# Altium PCB Backend.PcbDoc (part 2 of 3) (continued)
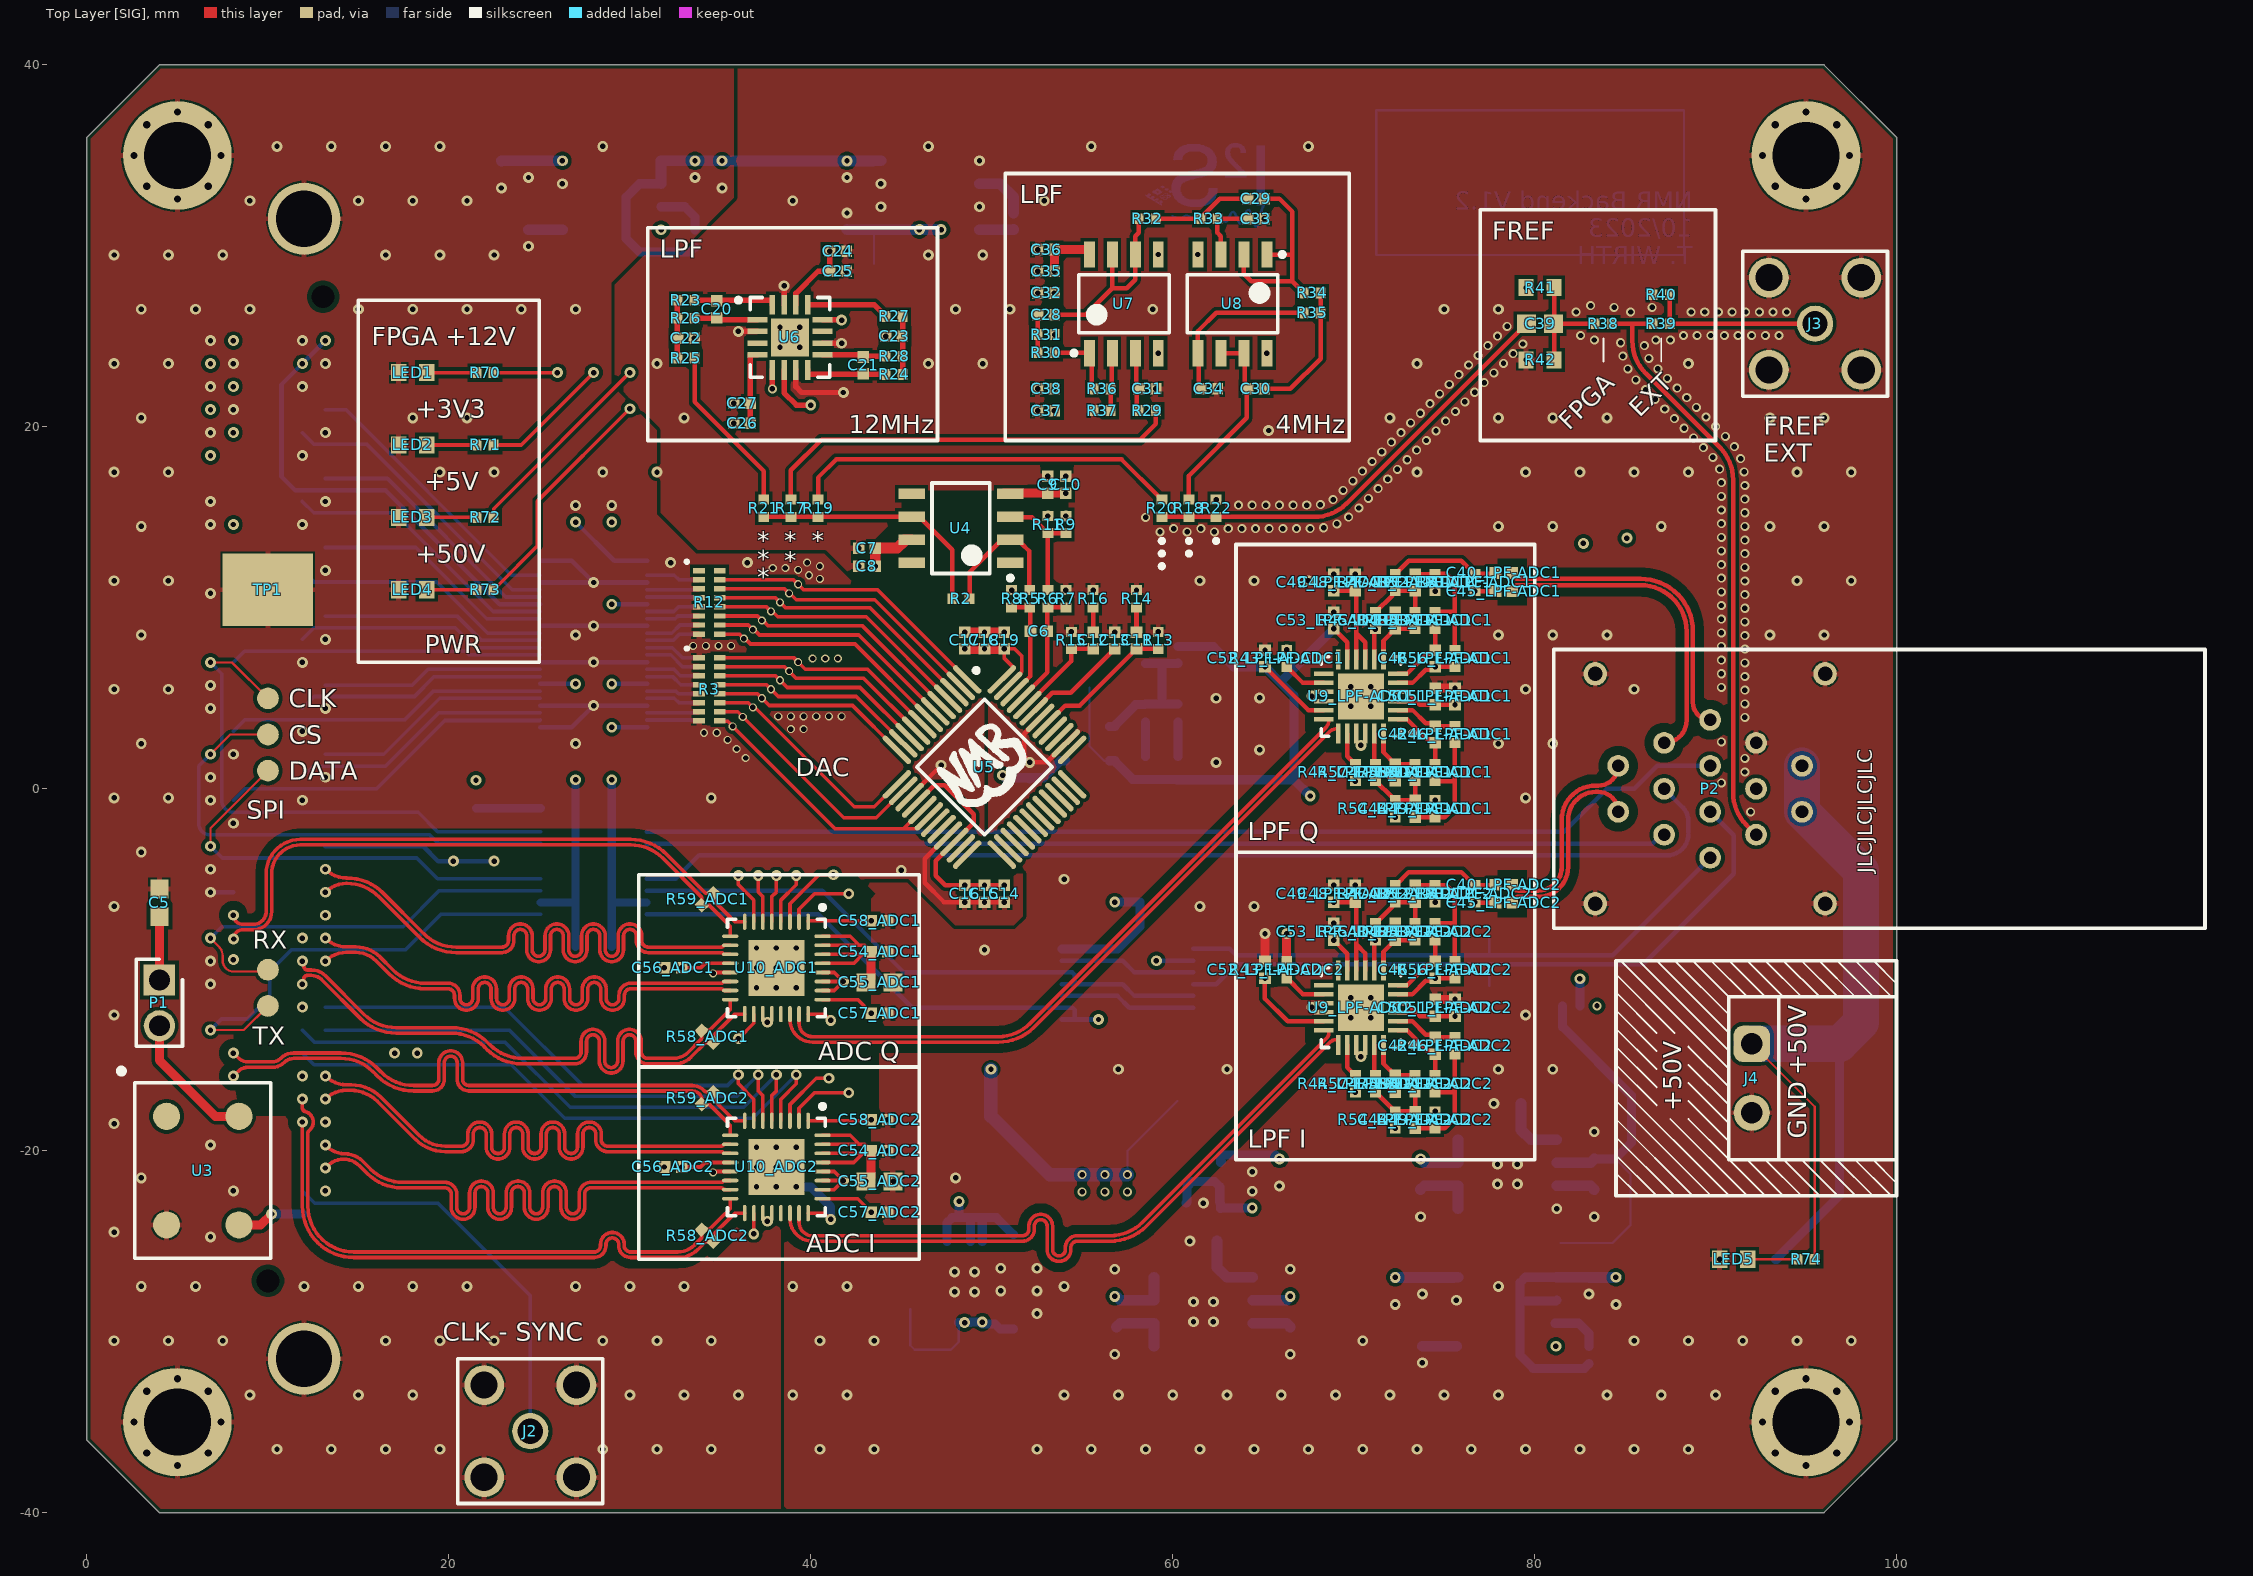
[diagram p0: Top Layer [SIG] view]
## Nets (pads, with @x,y where several pads share a name; then routed paths per layer and width w, separated by ;. In a path a pad name is that pad's centre, name@x,y a point inside that pad or via, vN(x,y) a via of type N, cw(c..) or ccw(c..) an arc to the next point about the centre after c; other vN are vias at no path point) (continued)
  other v2: 91.935,-1.276 90.319,0.326 91.618,0.928 91.618,1.682 90.319,2.588 91.618,3.944 91.618,4.698 91.618,5.452 90.319,5.604 91.618,6.206 90.319,6.358 91.618,6.96 90.319,7.112 91.618,7.714 90.319,7.866 91.618,8.468 90.319,8.62 56.8,8.66 54.4,8.675 59.2,8.675 91.618,9.222 90.319,9.374 91.618,9.976 90.319,10.128 91.618,10.73 90.319,10.882 51.1,10.975 54.1,10.975 55.6,10.975 58,10.975 91.618,11.484 90.319,11.636 91.618,12.238 90.319,12.39 91.618,12.992 90.319,13.144 91.618,13.746 90.319,13.898 59.3,14.2 60.8,14.2 62.3,14.2 60.054,14.376 61.562,14.376 63.07,14.376 63.824,14.376 64.578,14.376 65.332,14.376 66.086,14.376 66.84,14.376 67.594,14.376 68.347,14.424 91.618,14.5 69.069,14.64 90.319,14.652 58.5,15 69.726,15.01 91.618,15.254 90.319,15.406 70.285,15.517 63.638,15.674 64.392,15.674 65.146,15.674 65.9,15.674 66.654,15.674 67.408,15.674 68.162,15.701 68.863,15.979 91.618,16.008 70.818,16.05 90.319,16.16 69.42,16.488 71.351,16.583 91.618,16.762 90.319,16.914 69.953,17.021 71.884,17.116 91.583,17.515 70.486,17.554 72.417,17.649 90.225,17.662 71.019,18.087 72.95,18.182 91.387,18.243 89.854,18.319 71.552,18.62 73.484,18.716 89.326,18.856 91.035,18.91 72.085,19.153 74.017,19.249 88.793,19.389 90.54,19.478 72.618,19.687 74.55,19.782 88.259,19.923 90.007,20.011 73.152,20.22 75.083,20.315 87.726,20.456 89.474,20.545 73.685,20.753 75.616,20.848 87.193,20.989 88.94,21.078 74.218,21.286 76.149,21.381 86.66,21.522 88.407,21.611 74.751,21.819 76.683,21.915 86.127,22.055 87.874,22.144 75.284,22.352 77.216,22.448 85.601,22.596 87.341,22.677 75.817,22.885 77.749,22.981 85.159,23.207 86.808,23.21 76.351,23.419 78.282,23.514 86.317,23.783 84.874,23.905 76.884,23.952 78.815,24.047 77.417,24.485 86.068,24.494 79.348,24.58 84.759,24.65 83.3,24.8 86.7,24.8 87.5,24.8 77.95,25.018 82.54,25.051 88.229,25.051 88.983,25.051 89.737,25.051 90.491,25.051 91.245,25.051 91.999,25.051 92.753,25.051 93.507,25.051 78.483,25.551 82.293,26.349 85.312,26.349 88.649,26.349 89.403,26.349 90.157,26.349 90.911,26.349 91.665,26.349 92.419,26.349 93.173,26.349 93.927,26.349 84.4,26.6 86.5,26.6 83.1,26.7
  other v4: 95,-37.4 93.3,-36.7 96.7,-36.7 92.6,-35 97.4,-35 93.3,-33.3 96.7,-33.3 95,-32.6 95,32.6 93.3,33.3 96.7,33.3 92.6,35 97.4,35 93.3,36.7 96.7,36.7 95,37.4
  other v5: 70.95,-12.65 70.95,-11.55 70.95,4.55 70.95,5.65 38.3,24.4 39.4,24.4 38.3,25.5 39.4,25.5
  other v6: 61.15,-29.45 62.25,-29.45 61.15,-28.35 62.25,-28.35 47.95,-27.8 49.05,-27.8 47.95,-26.7 49.05,-26.7 77.95,-21.85 79.05,-21.85 77.95,-20.75 79.05,-20.75
C\E\2: P2.2 U1.14 | length 56.4
  Bottom Layer [SIG] w0.25: U1.14@30.925,-3.025 86.539,-3.025 86.824,-2.74 P2.2@87.16,-2.74
C\E\2_FMC: J1.C22 pad.3@10,3 U1.7 | length 27.2
  Top Layer [SIG] w0.125: v1(6.825,1.905) 7.92,3 pad.3@10,3
  Bottom Layer [SIG] w0.2: v1(6.825,1.905) 6.175,1.255 6.175,-1.905 ccw(c6.82,-1.905) 6.82,-2.55 18.95,-2.55 19.425,-3.025 U1.7@25.075,-3.025
CLK_ASIC_SPI: P2.14 U1.13 | length 60.3
  Bottom Layer [SIG] w0.25: U1.13@30.925,-2.375 81.625,-2.375 84,0 85.5,0 86.77,1.27 P2.14@89.7,1.27
CLK_ASIC_SPI_FMC: J1.C26 pad.3@10,5 U1.8 | length 30.3
  Top Layer [SIG] w0.125: v1(6.825,6.985) 8.015,6.985 pad.3@10,5
  Bottom Layer [SIG] w0.2: v1(6.825,6.985) 7.45,6.36 7.45,-0.65 ccw(c8.1,-0.65) 8.1,-1.3 18.3,-1.3 19.375,-2.375 U1.8@25.075,-2.375
CLK_DAC_FMC: J1.D20 U2.26 | length 18.8
  Bottom Layer [SIG] w0.2: J1.D20@8.095,-0.635 8.73,0 16,0 19.775,3.775 25.025,3.775 U2.26@25.05,3.8
Clk_sync: J1.G3 J2.1 | length 22.7
  Bottom Layer [SIG] w0.2: J1.G3@11.905,-22.225 12.58,-22.9 19.4,-22.9 24.5,-28 J2.1@24.5,-35.667
CNV1_N: J1.D15 R59_ADC1.2 U10_ADC1.8 | length 34.1
  Top Layer [SIG] w0.2: v1(8.095,-6.985) ccw(c8.602,-6.985) 8.602,-7.492 9.2,-7.492 ccw(c9.2,-6.792) 9.9,-6.792 9.9,-4.7 cw(c11.802,-4.7) 11.802,-2.798 30.038,-2.798 cw(c30.038,-5.631) 32.041,-3.628 34.124,-5.711 ccw(c34.265,-5.569) 34.265,-5.769 34.332,-5.769 ccw(c34.332,-5.73) 34.359,-5.758 cw(c34.387,-5.785) 34.387,-5.746 34.593,-5.746 cw(c34.593,-5.807) R59_ADC1.2@34.636,-5.764 34.654,-5.782 34.654,-5.994 34.652,-5.996 34.652,-6.203 35.346,-6.897 35.799,-7.35 U10_ADC1.8@36.35,-7.35
CNV1_P: J1.D14 R59_ADC1.1 U10_ADC1.9 | length 33.9
  Top Layer [SIG] w0.2: v1(8.1,-8.3) cw(c8.607,-8.3) 8.607,-7.793 9.2,-7.793 ccw(c9.2,-6.792) 10.202,-6.792 10.202,-4.7 cw(c11.802,-4.7) 11.802,-3.1 30.035,-3.1 cw(c30.035,-5.64) 31.831,-3.844 33.911,-5.924 cw(c33.769,-6.065) 33.969,-6.065 33.969,-6.132 cw(c33.93,-6.132) 33.958,-6.159 ccw(c33.985,-6.187) 33.946,-6.187 33.946,-6.393 ccw(c34.007,-6.393) R59_ADC1.1@33.964,-6.436 33.982,-6.454 34.194,-6.454 34.196,-6.452 34.403,-6.452 35.2,-7.249 35.55,-7.599 U10_ADC1.9@35.55,-8.15
CNV2_N: J1.D9 R59_ADC2.2 U10_ADC2.8 | length 33.1
  Top Layer [SIG] w0.2: v1(8.095,-14.605) 8.352,-14.862 ccw(c8.9,-14.315) 8.9,-15.089 10.243,-15.089 ccw(c10.243,-14.443) 10.7,-14.9 10.702,-14.898 cw(c11.426,-15.622) 11.426,-14.598 14.025,-14.598 cw(c14.025,-17.431) 16.028,-15.428 16.254,-15.654 ccw(c18.051,-13.858) 18.051,-16.398 18.054,-16.398 19.092,-16.398 ccw(c19.092,-16.044) 19.446,-16.044 19.446,-15.131 cw(c20.101,-15.131) 20.757,-15.131 20.757,-16.044 ccw(c21.111,-16.044) 21.111,-16.398 22.371,-16.398 33.439,-16.398 cw(c33.439,-17.299) 34.075,-16.662 34.077,-16.663 ccw(c34.332,-16.408) 34.332,-16.769 ccw(c34.332,-16.73) 34.359,-16.758 cw(c34.387,-16.785) 34.387,-16.746 34.593,-16.746 cw(c34.593,-16.807) R59_ADC2.2@34.636,-16.764 34.654,-16.782 34.654,-16.994 34.652,-16.996 34.652,-17.203 35.346,-17.897 35.799,-18.35 U10_ADC2.8@36.35,-18.35
CNV2_P: J1.D8 R59_ADC2.1 U10_ADC2.9 | length 32.8
  Top Layer [SIG] w0.2: v1(8.095,-15.875) 8.352,-15.618 cw(c8.9,-16.165) 8.9,-15.391 10.246,-15.391 ccw(c10.246,-14.449) 10.911,-15.115 10.913,-15.113 cw(c11.428,-15.628) 11.428,-14.9 14.021,-14.9 cw(c14.021,-17.44) 15.817,-15.644 16.042,-15.868 ccw(c18.049,-13.861) 18.049,-16.7 18.054,-16.7 19.092,-16.7 ccw(c19.092,-16.044) 19.747,-16.044 19.747,-15.131 cw(c20.101,-15.131) 20.455,-15.131 20.455,-16.044 ccw(c21.111,-16.044) 21.111,-16.7 22.371,-16.7 33.437,-16.7 cw(c33.437,-17.303) 33.863,-16.877 cw(c33.608,-17.132) 33.969,-17.132 cw(c33.93,-17.132) 33.958,-17.159 ccw(c33.985,-17.187) 33.946,-17.187 33.946,-17.393 ccw(c34.007,-17.393) R59_ADC2.1@33.964,-17.436 33.982,-17.454 34.194,-17.454 34.196,-17.452 34.403,-17.452 35.2,-18.249 35.55,-18.599 U10_ADC2.9@35.55,-19.15
DAC_3V3_D0: R4.2 U2.22 | length 2.9
  Bottom Layer [SIG] w0.2: U2.22@30.95,4.2 33.6,4.2 33.65,4.25 R4.2@33.825,4.25
DAC_3V3_D1: R4.3 U2.20 | length 3
  Bottom Layer [SIG] w0.2: U2.20@30.95,5 32.463,5 32.713,4.75 R4.3@33.825,4.75
DAC_3V3_D2: R4.4 U2.19 | length 2.9
  Bottom Layer [SIG] w0.2: U2.19@30.95,5.4 32.543,5.4 32.693,5.25 R4.4@33.825,5.25
DAC_3V3_D3: R4.5 U2.17 | length 3.1
  Bottom Layer [SIG] w0.2: U2.17@30.95,6.2 32.363,6.2 32.813,5.75 R4.5@33.825,5.75
DAC_3V3_D4: R4.6 U2.16 | length 3
  Bottom Layer [SIG] w0.2: U2.16@30.95,6.6 32.443,6.6 32.793,6.25 R4.6@33.825,6.25
DAC_3V3_D5: R4.7 U2.14 | length 3.1
  Bottom Layer [SIG] w0.2: U2.14@30.95,7.4 32.263,7.4 32.913,6.75 R4.7@33.825,6.75
DAC_3V3_D6: R4.8 U2.13 | length 3.1
  Bottom Layer [SIG] w0.2: U2.13@30.95,7.8 32.343,7.8 32.893,7.25 R4.8@33.825,7.25
DAC_3V3_D7: R10.1 U2.12 | length 3
  Bottom Layer [SIG] w0.2: U2.12@30.95,8.2 32.4,8.2 32.75,8.55 R10.1@33.825,8.55
DAC_3V3_D8: R10.2 U2.11 | length 3.1
  Bottom Layer [SIG] w0.2: U2.11@30.95,8.6 32.319,8.6 32.769,9.05 R10.2@33.825,9.05
DAC_3V3_D9: R10.3 U2.9 | length 2.9
  Bottom Layer [SIG] w0.2: U2.9@30.95,9.4 32.513,9.4 32.663,9.55 R10.3@33.825,9.55
DAC_3V3_D10: R10.4 U2.8 | length 3
  Bottom Layer [SIG] w0.2: U2.8@30.95,9.8 32.432,9.8 32.682,10.05 R10.4@33.825,10.05
DAC_3V3_D11: R10.5 U2.6 | length 2.9
  Bottom Layer [SIG] w0.2: U2.6@30.95,10.6 33.6,10.6 33.65,10.55 R10.5@33.825,10.55
DAC_3V3_D12: R10.6 U2.5 | length 2.9
  Bottom Layer [SIG] w0.2: U2.5@30.95,11 33.6,11 33.65,11.05 R10.6@33.825,11.05
DAC_3V3_D13: R10.7 U2.3 | length 3
  Bottom Layer [SIG] w0.2: U2.3@30.95,11.8 32.463,11.8 32.712,11.55 R10.7@33.825,11.55
DAC_CLKin: R3.9 R4.16 U5.17 U5.18 | length 16.6
  Top Layer [SIG] w0.2: R3.9@34.975,3.75 35,3.725 35.405,3.725 v3(35.678,3.451) 41.33,-2.2 45.139,-2.2 ; U5.17@46.171,-1.169 45.181,-2.159 45.139,-2.2 ; U5.18@46.524,-1.522 45.869,-2.178 45.798,-2.178 45.776,-2.2 45.139,-2.2
  Bottom Layer [SIG] w0.2: R4.16@34.975,3.75 35,3.725 35.405,3.725 v3(35.678,3.451)
DAC_FMC_D0: J1.G21 U2.27 | length 14.6
  Bottom Layer [SIG] w0.2: J1.G21@11.905,0.635 12.52,1.25 16.5,1.25 19.45,4.2 U2.27@25.05,4.2
DAC_FMC_D1: J1.H22 U2.29 | length 13.2
  Bottom Layer [SIG] w0.2: J1.H22@13.175,1.905 16.405,1.905 19.5,5 U2.29@25.05,5
DAC_FMC_D2: J1.D23 U2.30 | length 17.9
  Bottom Layer [SIG] w0.2: J1.D23@8.095,3.175 8.745,3.825 17.575,3.825 19.15,5.4 U2.30@25.05,5.4
DAC_FMC_D3: J1.G24 U2.32 | length 13.9
  Bottom Layer [SIG] w0.2: J1.G24@11.905,4.445 12.56,5.1 18.1,5.1 19.2,6.2 U2.32@25.05,6.2
DAC_FMC_D4: J1.H25 U2.33 | length 12.2
  Bottom Layer [SIG] w0.2: J1.H25@13.175,5.715 17.965,5.715 18.85,6.6 U2.33@25.05,6.6
DAC_FMC_D5: J1.D26 U2.35 | length 17.3
  Bottom Layer [SIG] w0.2: J1.D26@8.095,6.985 8.71,7.6 20.9,7.6 21.1,7.4 U2.35@25.05,7.4
DAC_FMC_D6: J1.G27 U2.36 | length 13.9
  Bottom Layer [SIG] w0.2: J1.G27@11.905,8.255 12.55,8.9 20.35,8.9 21.45,7.8 U2.36@25.05,7.8
DAC_FMC_D7: J1.H28 U2.37 | length 12.4
  Bottom Layer [SIG] w0.2: J1.H28@13.175,9.525 20.475,9.525 21.8,8.2 U2.37@25.05,8.2
DAC_FMC_D8: J1.G30 U2.38 | length 14.6
  Bottom Layer [SIG] w0.2: J1.G30@11.905,12.065 12.545,11.425 19.325,11.425 22.15,8.6 U2.38@25.05,8.6
DAC_FMC_D9: J1.H31 U2.40 | length 13.5
  Bottom Layer [SIG] w0.2: J1.H31@13.175,13.335 18.165,13.335 22.1,9.4 U2.40@25.05,9.4
DAC_FMC_D10: J1.G33 U2.41 | length 15.7
  Bottom Layer [SIG] w0.2: J1.G33@11.905,15.875 12.53,15.25 17,15.25 22.45,9.8 U2.41@25.05,9.8
DAC_FMC_D11: J1.H34 U2.43 | length 14.6
  Bottom Layer [SIG] w0.2: J1.H34@13.175,17.145 16.605,17.145 23.15,10.6 U2.43@25.05,10.6
DAC_FMC_D12: J1.G36 U2.44 | length 16.7
  Bottom Layer [SIG] w0.2: J1.G36@11.905,19.685 12.54,19.05 15.45,19.05 23.5,11 U2.44@25.05,11
DAC_FMC_D13: J1.H37 U2.46 | length 15.7
  Bottom Layer [SIG] w0.2: J1.H37@13.175,20.955 14.295,20.955 23.45,11.8 U2.46@25.05,11.8
DAC_in0: R3.10 R4.15 U5.14 | length 14.6
  Top Layer [SIG] w0.2: R3.10@34.975,4.25 35.965,4.25 v3(36.239,3.976) 41.815,-1.6 43.618,-1.6 U5.14@45.11,-0.108
  Bottom Layer [SIG] w0.2: R4.15@34.975,4.25 35.965,4.25 v3(36.239,3.976)
DAC_in1: R3.11 R4.14 U5.13 | length 14.5
  Top Layer [SIG] w0.2: R3.11@34.975,4.75 36.55,4.75 v3(36.8,4.5) ; v3@36.9,4.5 42.4,-1 43.511,-1 U5.13@44.756,0.245
  Bottom Layer [SIG] w0.2: R4.14@34.975,4.75 36.55,4.75 v3(36.8,4.5)
DAC_in2: R3.12 R4.13 U5.12 | length 13.5
  Top Layer [SIG] w0.2: R3.12@34.975,5.25 37.05,5.25 v3(37.3,5) 37.7,4.6 42.311,4.6 U5.12@44.756,2.155
  Bottom Layer [SIG] w0.2: R4.13@34.975,5.25 37.05,5.25 v3(37.3,5)
DAC_in3: R3.13 R4.12 U5.11 | length 14.4
  Top Layer [SIG] w0.2: R3.13@34.975,5.75 37.55,5.75 v3(37.8,5.5) 38.2,5.1 42.518,5.1 U5.11@45.11,2.508
  Bottom Layer [SIG] w0.2: R4.12@34.975,5.75 37.55,5.75 v3(37.8,5.5)
DAC_in4: R3.14 R4.11 U5.10 | length 15.3
  Top Layer [SIG] w0.2: R3.14@34.975,6.25 38.05,6.25 v3(38.3,6) 38.7,5.6 42.725,5.6 U5.10@45.463,2.862
  Bottom Layer [SIG] w0.2: R4.11@34.975,6.25 38.05,6.25 v3(38.3,6)
DAC_in5: R3.15 R4.10 U5.9 | length 16.2
  Top Layer [SIG] w0.2: R3.15@34.975,6.75 38.55,6.75 v3(38.8,6.5) 39.2,6.1 42.932,6.1 U5.9@45.817,3.215
  Bottom Layer [SIG] w0.2: R4.10@34.975,6.75 38.55,6.75 v3(38.8,6.5)
DAC_in6: R3.16 R4.9 U5.8 | length 17.1
  Top Layer [SIG] w0.2: R3.16@34.975,7.25 39.05,7.25 v3(39.3,7) 39.7,6.6 43.139,6.6 U5.8@46.171,3.569
  Bottom Layer [SIG] w0.2: R4.9@34.975,7.25 39.05,7.25 v3(39.3,7)
DAC_in7: R10.16 R12.9 U5.7 | length 14.9
  Top Layer [SIG] w0.2: R12.9@34.975,8.55 36.054,8.55 36.304,8.3 36.368,8.3 36.668,8 42.446,8 U5.7@46.524,3.922
  Bottom Layer [SIG] w0.2: R10.16@34.975,8.55 36.05,8.55 v3(36.3,8.3)
DAC_in8: R10.15 R12.10 U5.6 | length 15.8
  Top Layer [SIG] w0.2: R12.10@34.975,9.05 36.55,9.05 v3(36.8,8.8) 36.868,8.8 37.168,8.5 42.654,8.5 U5.6@46.878,4.276
  Bottom Layer [SIG] w0.2: R10.15@34.975,9.05 36.55,9.05 v3(36.8,8.8)
DAC_in9: R10.14 R12.11 U5.5 | length 16.7
  Top Layer [SIG] w0.2: R12.11@34.975,9.55 37.05,9.55 v3(37.3,9.3) 37.354,9.3 37.654,9 42.861,9 U5.5@47.231,4.629
  Bottom Layer [SIG] w0.2: R10.14@34.975,9.55 37.05,9.55 v3(37.3,9.3)
DAC_in10: R10.13 R12.12 U5.4 | length 17.6
  Top Layer [SIG] w0.2: R12.12@34.975,10.05 37.55,10.05 v3(37.8,9.8) 37.868,9.8 38.168,9.5 43.068,9.5 U5.4@47.585,4.983
  Bottom Layer [SIG] w0.2: R10.13@34.975,10.05 37.55,10.05 v3(37.8,9.8)
DAC_in11: R10.12 R12.13 U5.3 | length 18.6
  Top Layer [SIG] w0.2: R12.13@34.975,10.55 38.05,10.55 v3(38.3,10.3) 38.6,10 43.275,10 U5.3@47.938,5.337
  Bottom Layer [SIG] w0.2: R10.12@34.975,10.55 38.05,10.55 v3(38.3,10.3)
DAC_in12: R10.11 R12.14 U5.2 | length 19.5
  Top Layer [SIG] w0.2: R12.14@34.975,11.05 38.55,11.05 v3(38.8,10.8) 38.842,10.8 39.192,10.45 43.532,10.45 U5.2@48.292,5.69
  Bottom Layer [SIG] w0.2: R10.11@34.975,11.05 38.55,11.05 v3(38.8,10.8)
DAC_in13: R10.10 R12.15 U5.1 | length 20.4
  Top Layer [SIG] w0.2: R12.15@34.975,11.55 39.05,11.55 v3(39.3,11.3) 39.6,11 43.689,11 U5.1@48.645,6.044
  Bottom Layer [SIG] w0.2: R10.10@34.975,11.55 39.05,11.55 v3(39.3,11.3)
DATA_ASIC_SPI: P2.11 U1.17 | length 61.7
  Bottom Layer [SIG] w0.25: U1.17@30.925,-4.975 32.525,-4.975 33.825,-3.675 87.325,-3.675 ccw(c87.325,-2.5) 88.5,-2.5 ; P2.11@87.16,0 88.175,-1.015 cw(c87.389,-1.8) 88.5,-1.8 88.5,-2.415
DATA_ASIC_SPI_FMC: J1.C18 pad.3@10,1 U1.4 | length 24.5
  Top Layer [SIG] w0.125: v1(6.825,-3.175) 6.825,-2.175 pad.3@10,1
  Bottom Layer [SIG] w0.2: v1(6.825,-3.175) 7.475,-3.825 18.225,-3.825 19.375,-4.975 U1.4@25.075,-4.975
DCO1_N: J1.H14 U10_ADC1.14 | length 33.5
  Top Layer [SIG] w0.2: v1(13.175,-8.255) ccw(c14.344,-7.086) 14.344,-8.739 14.849,-8.739 cw(c14.849,-10.648) 16.198,-9.298 16.905,-10.005 ccw(c18.701,-8.209) 18.701,-10.749 18.999,-10.749 19.957,-10.749 cw(c19.957,-11.405) 20.612,-11.405 20.612,-11.582 ccw(c20.966,-11.582) 21.32,-11.582 21.32,-11.052 cw(c21.976,-11.052) 22.632,-11.052 22.632,-11.582 ccw(c22.986,-11.582) 23.34,-11.582 23.34,-11.052 cw(c23.995,-11.052) 24.651,-11.052 24.651,-11.582 ccw(c25.005,-11.582) 25.359,-11.582 25.359,-11.052 cw(c26.014,-11.052) 26.67,-11.052 26.67,-11.582 ccw(c27.024,-11.582) 27.378,-11.582 27.378,-11.052 cw(c28.034,-11.052) 28.689,-11.052 28.689,-11.582 ccw(c29.043,-11.582) 29.397,-11.582 29.397,-11.405 cw(c30.053,-11.405) 30.053,-10.749 30.304,-10.749 35.031,-10.749 ccw(c35.031,-10.58) 35.15,-10.7 cw(c35.27,-10.819) 35.27,-10.65 U10_ADC1.14@35.55,-10.65
DCO1_P: J1.H13 U10_ADC1.15 | length 33.5
  Top Layer [SIG] w0.2: v1(13.175,-9.525) cw(c14.344,-10.694) 14.344,-9.041 14.846,-9.041 cw(c14.846,-10.654) 15.987,-9.513 16.693,-10.219 ccw(c18.7,-8.212) 18.7,-11.051 18.999,-11.051 19.957,-11.051 cw(c19.957,-11.405) 20.311,-11.405 20.311,-11.582 ccw(c20.966,-11.582) 21.622,-11.582 21.622,-11.052 cw(c21.976,-11.052) 22.33,-11.052 22.33,-11.582 ccw(c22.986,-11.582) 23.641,-11.582 23.641,-11.052 cw(c23.995,-11.052) 24.349,-11.052 24.349,-11.582 ccw(c25.005,-11.582) 25.66,-11.582 25.66,-11.052 cw(c26.014,-11.052) 26.368,-11.052 26.368,-11.582 ccw(c27.024,-11.582) 27.68,-11.582 27.68,-11.052 cw(c28.034,-11.052) 28.388,-11.052 28.388,-11.582 ccw(c29.043,-11.582) 29.699,-11.582 29.699,-11.405 cw(c30.053,-11.405) 30.053,-11.051 30.304,-11.051 35.031,-11.051 cw(c35.031,-11.22) 35.15,-11.1 ccw(c35.27,-10.981) 35.27,-11.15 U10_ADC1.15@35.55,-11.15
DCO2_N: J1.H5 U10_ADC2.14 | length 33.9
  Top Layer [SIG] w0.2: v1(13.175,-19.685) 13.248,-19.758 ccw(c14.24,-18.766) 14.24,-20.169 cw(c14.24,-21.572) 15.233,-20.58 15.658,-21.005 ccw(c17.454,-19.209) 17.454,-21.749 18.727,-21.749 18.915,-21.749 19.779,-21.749 cw(c19.779,-22.405) 20.434,-22.405 20.434,-23.132 ccw(c20.788,-23.132) 20.788,-23.486 ccw(c20.788,-23.132) 21.142,-23.132 21.142,-22.332 cw(c21.798,-22.332) 21.798,-21.677 cw(c21.798,-22.332) 22.454,-22.332 22.454,-23.132 ccw(c22.808,-23.132) 22.808,-23.486 ccw(c22.808,-23.132) 23.162,-23.132 23.162,-22.332 cw(c23.817,-22.332) 23.817,-21.677 cw(c23.817,-22.332) 24.473,-22.332 24.473,-23.132 ccw(c24.827,-23.132) 24.827,-23.486 ccw(c24.827,-23.132) 25.181,-23.132 25.181,-22.332 cw(c25.836,-22.332) 25.836,-21.677 cw(c25.836,-22.332) 26.492,-22.332 26.492,-23.132 ccw(c26.846,-23.132) 26.846,-23.486 ccw(c26.846,-23.132) 27.2,-23.132 27.2,-22.405 cw(c27.856,-22.405) 27.79,-21.753 27.793,-21.749 27.806,-21.749 28.106,-21.749 35.031,-21.749 ccw(c35.031,-21.58) 35.15,-21.7 cw(c35.27,-21.819) 35.27,-21.65 U10_ADC2.14@35.55,-21.65
DCO2_P: J1.H4 U10_ADC2.15 | length 33.9
  Top Layer [SIG] w0.2: v1(13.175,-20.955) 13.292,-20.838 cw(c14.178,-21.723) 14.178,-20.471 cw(c14.178,-21.723) 15.063,-20.837 15.487,-21.261 ccw(c17.394,-19.354) 17.394,-22.051 18.727,-22.051 18.915,-22.051 19.779,-22.051 cw(c19.779,-22.405) 20.133,-22.405 20.133,-23.132 ccw(c20.788,-23.132) 20.788,-23.788 ccw(c20.788,-23.132) 21.444,-23.132 21.444,-22.332 cw(c21.798,-22.332) 21.798,-21.978 cw(c21.798,-22.332) 22.152,-22.332 22.152,-23.132 ccw(c22.808,-23.132) 22.808,-23.788 ccw(c22.808,-23.132) 23.463,-23.132 23.463,-22.332 cw(c23.817,-22.332) 23.817,-21.978 cw(c23.817,-22.332) 24.171,-22.332 24.171,-23.132 ccw(c24.827,-23.132) 24.827,-23.788 ccw(c24.827,-23.132) 25.482,-23.132 25.482,-22.332 cw(c25.836,-22.332) 25.836,-21.978 cw(c25.836,-22.332) 26.19,-22.332 26.19,-23.132 ccw(c26.846,-23.132) 26.846,-23.788 ccw(c26.846,-23.132) 27.502,-23.132 27.502,-22.405 cw(c27.856,-22.405) 27.856,-22.051 27.931,-22.051 28.106,-22.051 35.031,-22.051 cw(c35.031,-22.22) 35.15,-22.1 ccw(c35.27,-21.981) 35.27,-22.15 U10_ADC2.15@35.55,-22.15
DGND: C1.2 C2.2 C3.2 C4.2 C5.2 C14.2 C15.2 C16.2 C56_ADC1.2 C56_ADC2.2 C64.2 C65.2 C66.2 C67.2 C68.2 C85.2 C86.2 J1.C1 J1.C4 J1.C5 J1.C8 J1.C9 J1.C12 J1.C13 J1.C16 J1.C17 J1.C20 J1.C21 J1.C24 J1.C25 J1.C28 J1.C29 J1.C32 J1.C33 J1.C36 J1.C38 J1.C40 J1.D2 J1.D3 J1.D6 J1.D7 J1.D10 J1.D13 J1.D16 J1.D19 J1.D22 J1.D25 J1.D28 J1.D37 J1.D39 J1.G1 J1.G4 J1.G5 J1.G8 J1.G11 J1.G14 J1.G17 J1.G20 J1.G23 J1.G26 J1.G29 J1.G32 J1.G35 J1.G38 J1.G40 J1.H3 J1.H6 J1.H9 J1.H12 J1.H15 J1.H18 J1.H21 J1.H24 J1.H27 J1.H30 J1.H33 J1.H36 J1.H39 J2.2 LED1.2 LED2.2 LED3.2 LED4.2 pad.0@5,35 pad.0@5,-35 pad.0@12,31.501 pad.0@12,-31.499 R3.1 R3.2 R3.3 R3.4 R3.5 R3.6 R3.7 R3.8 R12.2 R12.3 R12.4 R12.5 R12.6 R12.7 R12.8 R60.1 TP1.1 U1.11 U2.4 U2.10 U2.15 U2.21 U2.25 U2.28 U2.34 U2.39 U2.45 U2.48 U3.2 U5.15 U5.21 U10_ADC1.13 U10_ADC1.24 U10_ADC1.33 U10_ADC2.13 U10_ADC2.24 U10_ADC2.33 U12.3 U17.7 | length 63.4
  Top Layer [SIG] w0.2: v3(34.6,-21.2) 34.668,-21.2 34.718,-21.15 U10_ADC2.13@35.55,-21.15 ; v3(34.6,-10.2) 34.668,-10.2 34.718,-10.15 U10_ADC1.13@35.55,-10.15 ; U10_ADC2.33@36.75,-21.15 v5(37,-20.9) ; U10_ADC1.33@36.75,-10.15 v5(37,-9.9) ; U10_ADC2.24@39.85,-23.45 40.75,-23.45 v1(41.1,-23.8) ; U10_ADC1.24@39.85,-12.45 40.75,-12.45 v1(41.1,-12.8)
  Top Layer [SIG] w0.25: U5.15@45.463,-0.462 45.463,-0.449 47.2,1.287 v1(47.2,1.3) ; U5.21@47.585,-2.583 46.3,-3.868 46.3,-5.2 47.36,-6.26 v1(48.5,-6.26) v1(49.6,-6.26) v1(50.7,-6.26)
  Mid Layer 2 [SIG] w0.5: v5(39.2,-22) 40,-22 41.081,-23.081 41.081,-23.781 v1(41.1,-23.8)
  Bottom Layer [SIG] w0.25: v1(6.825,-5.715) J1.D16@8.095,-5.715 ; J1.H18@13.175,-3.175 18.575,-3.175 19.4,-4 v1(20.25,-4) v1(22.5,-4) ; U2.25@25.05,3.4 26.8,3.4 v1(28,4.6) ; U2.28@25.05,4.6 v1(28,4.6) ; U2.34@25.05,7 v1(28,7) U2.15@30.95,7 ; U2.39@25.05,9 v1(28,9) U2.10@30.95,9 ; U2.45@25.05,11.4 v1(28,11.4) ; U2.48@25.05,12.6 26.8,12.6 v1(28,11.4) ; U2.21@30.95,4.6 v1(28,4.6) ; U2.4@30.95,11.4 v1(28,11.4)
  Bottom Layer [SIG] w0.5: v5(39.2,-22) 40,-22 41.1,-23.1 v1(41.1,-23.8)
  other v1: 10.5,-36.5 13.5,-36.5 16.5,-36.5 19.5,-36.5 28.5,-36.5 31.5,-36.5 34.5,-36.5 9,-33.5 15,-33.5 18,-33.5 30,-33.5 33,-33.5 36,-33.5 1.5,-30.5 4.5,-30.5 7.5,-30.5 16.5,-30.5 19.5,-30.5 22.5,-30.5 28.5,-30.5 31.5,-30.5 34.5,-30.5 3,-27.5 6,-27.5 12,-27.5 15,-27.5 18,-27.5 21,-27.5 27,-27.5 30,-27.5 33,-27.5 6.825,-24.765 1.5,-24.5 8.095,-22.225 13.175,-22.225 3,-21.5 31.9,-20.9 6.825,-19.685 1.5,-18.5 13.175,-18.415 11.905,-15.875 17,-14.605 18.25,-14.605 1.5,-12.5 11.905,-12.065 6.825,-10.795 31.9,-9.9 6.825,-9.525 8.095,-9.437 11.905,-8.255 13.175,-6.985 1.5,-6.5 45,-4.5 6.825,-4.445 3,-3.5 8.095,-1.905 6.825,-0.635 11.905,-0.635 1.5,-0.5 4.5,-0.5 34.5,-0.5 6.825,0.635 13.175,0.635 8.095,1.905 3,2.5 27,2.5 11.905,3.175 6.825,4.445 13.175,4.445 1.5,5.5 4.5,5.5 6.825,5.715 11.905,6.985 13.175,8.255 3,8.5 27,8.5 6.825,10.795 1.5,11.5 4.5,11.5 13.175,12.065 32.25,12.5 36.5,12.5 3,14.5 6.825,14.605 11.905,14.605 27,15.66 29,15.66 6.825,15.875 13.175,15.875 1.5,17.5 4.5,17.5 19.5,17.5 22.5,17.5 28.5,17.5 11.905,18.415 6.825,19.685 13.175,19.685 3,20.5 18,20.5 21,20.5 8.095,20.955 6.825,22.225 11.905,22.225 8.095,23.495 13.175,23.495 1.5,23.5 4.5,23.5 6.825,24.765 11.905,24.765 3,26.5 6,26.5 9,26.5 15,26.5 18,26.5 21,26.5 24,26.5 27,26.5 1.5,29.5 4.5,29.5 7.5,29.5 16.5,29.5 19.5,29.5 22.5,29.5 24.4,29.98 9,32.5 15,32.5 18,32.5 21,32.5 22.9,33.2 35.1,33.2 26.275,33.435 24.4,33.78 33.6,33.78 10.5,35.5 13.5,35.5 16.5,35.5 19.5,35.5 28.5,35.5
  other v3: 36.4,1.7 35.9,2.2 35.4,2.7 34.1,3.1 34.8,3.1 38.9,3.3 39.6,3.3 38.2,4 38.9,4 39.6,4 40.3,4 41,4 41.7,4 40.1,7.2 40.8,7.2 41.5,7.2 33.5,7.9 34.2,7.9 34.9,7.9 35.6,7.9 40.5,11.6 39.9,11.8 39.3,12.1 37.9,12.2 38.6,12.2 40.5,12.3 39.8,12.5
  other v4: 5,-37.4 3.3,-36.7 6.7,-36.7 2.6,-35 7.4,-35 3.3,-33.3 6.7,-33.3 5,-32.6 5,32.6 3.3,33.3 6.7,33.3 2.6,35 7.4,35 3.3,36.7 6.7,36.7 5,37.4
  other v5: 37,-22 38.1,-22 38.1,-20.9 39.2,-20.9 37,-19.8 38.1,-19.8 39.2,-19.8 37,-11 38.1,-11 39.2,-11 38.1,-9.9 39.2,-9.9 37,-8.8 38.1,-8.8 39.2,-8.8
DOUT1_N: J1.H17 U10_ADC1.10 | length 33.7
  Top Layer [SIG] w0.2: v1(13.175,-4.445) ccw(c14.344,-3.276) 14.344,-4.929 14.356,-4.929 cw(c14.356,-7.762) 16.359,-5.759 18.605,-8.005 ccw(c20.401,-6.209) 20.401,-8.749 22.16,-8.749 22.939,-8.749 ccw(c22.939,-8.395) 23.293,-8.395 23.293,-8.125 cw(c23.949,-8.125) 24.604,-8.125 24.604,-8.903 ccw(c24.958,-8.903) 25.312,-8.903 25.312,-8.125 cw(c25.968,-8.125) 26.623,-8.125 26.623,-8.903 ccw(c26.977,-8.903) 27.331,-8.903 27.331,-8.125 cw(c27.987,-8.125) 28.643,-8.125 28.643,-8.903 ccw(c28.997,-8.903) 29.351,-8.903 29.351,-8.125 cw(c30.006,-8.125) 30.662,-8.125 30.662,-8.395 ccw(c31.016,-8.395) 31.016,-8.749 32.276,-8.749 35.031,-8.749 ccw(c35.031,-8.58) 35.15,-8.7 cw(c35.27,-8.819) 35.27,-8.65 U10_ADC1.10@35.55,-8.65
DOUT1_P: J1.H16 U10_ADC1.11 | length 33.7
  Top Layer [SIG] w0.2: v1(13.175,-5.715) cw(c14.344,-6.884) 14.344,-5.231 14.352,-5.231 cw(c14.352,-7.771) 16.148,-5.975 18.393,-8.219 ccw(c20.4,-6.212) 20.4,-9.051 22.16,-9.051 22.939,-9.051 ccw(c22.939,-8.395) 23.595,-8.395 23.595,-8.125 cw(c23.949,-8.125) 24.303,-8.125 24.303,-8.903 ccw(c24.958,-8.903) 25.614,-8.903 25.614,-8.125 cw(c25.968,-8.125) 26.322,-8.125 26.322,-8.903 ccw(c26.977,-8.903) 27.633,-8.903 27.633,-8.125 cw(c27.987,-8.125) 28.341,-8.125 28.341,-8.903 ccw(c28.997,-8.903) 29.652,-8.903 29.652,-8.125 cw(c30.006,-8.125) 30.36,-8.125 30.36,-8.395 ccw(c31.016,-8.395) 31.016,-9.051 32.276,-9.051 35.031,-9.051 cw(c35.031,-9.22) 35.15,-9.1 ccw(c35.27,-8.981) 35.27,-9.15 U10_ADC1.11@35.55,-9.15
DOUT2_N: J1.H8 U10_ADC2.10 | length 33.4
  Top Layer [SIG] w0.2: v1(13.175,-15.875) ccw(c14.344,-14.706) 14.344,-16.359 14.6,-16.359 cw(c14.6,-18.675) 16.237,-17.037 18.348,-19.148 ccw(c19.8,-17.695) 19.8,-19.749 19.824,-19.749 20.696,-19.749 ccw(c20.696,-19.395) 21.05,-19.395 21.05,-19.071 cw(c21.706,-19.071) 22.362,-19.071 22.362,-19.803 ccw(c22.716,-19.803) 23.07,-19.803 23.07,-19.071 cw(c23.725,-19.071) 24.381,-19.071 24.381,-19.803 ccw(c24.735,-19.803) 25.089,-19.803 25.089,-19.071 cw(c25.744,-19.071) 26.4,-19.071 26.4,-19.803 ccw(c26.754,-19.803) 27.108,-19.803 27.108,-19.071 cw(c27.764,-19.071) 28.419,-19.071 28.419,-19.395 ccw(c28.773,-19.395) 28.773,-19.749 30.034,-19.749 35.031,-19.749 ccw(c35.031,-19.58) 35.15,-19.7 cw(c35.27,-19.819) 35.27,-19.65 U10_ADC2.10@35.55,-19.65
DOUT2_P: J1.H7 U10_ADC2.11 | length 33.4
  Top Layer [SIG] w0.2: v1(13.175,-17.145) cw(c14.344,-18.314) 14.344,-16.661 14.547,-16.661 cw(c14.547,-18.804) 16.062,-17.288 18.136,-19.363 ccw(c19.798,-17.701) 19.798,-20.051 19.824,-20.051 20.696,-20.051 ccw(c20.696,-19.395) 21.352,-19.395 21.352,-19.071 cw(c21.706,-19.071) 22.06,-19.071 22.06,-19.803 ccw(c22.716,-19.803) 23.371,-19.803 23.371,-19.071 cw(c23.725,-19.071) 24.079,-19.071 24.079,-19.803 ccw(c24.735,-19.803) 25.39,-19.803 25.39,-19.071 cw(c25.744,-19.071) 26.098,-19.071 26.098,-19.803 ccw(c26.754,-19.803) 27.41,-19.803 27.41,-19.071 cw(c27.764,-19.071) 28.118,-19.071 28.118,-19.395 ccw(c28.773,-19.395) 28.773,-20.051 30.034,-20.051 35.031,-20.051 cw(c35.031,-20.22) 35.15,-20.1 ccw(c35.27,-19.981) 35.27,-20.15 U10_ADC2.11@35.55,-20.15
EN0: J1.G9 U10_ADC1.4 U10_ADC2.4 | length 72.9
  Top Layer [SIG] w0.2: U10_ADC2.4@38.35,-18.35 38.35,-17.15 39.2,-16.3 v1(39.2,-15.8) ; U10_ADC1.4@38.35,-7.35 38.35,-6.15 39.2,-5.3 v1(39.2,-4.8)
  Mid Layer 2 [SIG] w0.2: v1(39.2,-15.8) 37,-18 30.25,-18 27.75,-15.5 27.75,-5 30.25,-2.5 36.9,-2.5 v1(39.2,-4.8)
  Bottom Layer [SIG] w0.2: J1.G9@11.905,-14.605 12.55,-15.25 23.45,-15.25 26.4,-18.2 36.8,-18.2 v1(39.2,-15.8)
EN1: J1.G10 U10_ADC1.5 U10_ADC2.5 | length 65.9
  Top Layer [SIG] w0.2: U10_ADC2.5@37.85,-18.35 37.85,-16.95 38.1,-16.7 v1(38.1,-15.8) ; U10_ADC1.5@37.85,-7.35 37.85,-5.95 38.1,-5.7 v1(38.1,-4.8)
  Mid Layer 2 [SIG] w0.2: v1(38.1,-15.8) 38.1,-15.9 36.75,-17.25 30.75,-17.25 28.5,-15 28.5,-5.5 30.75,-3.25 36.55,-3.25 v1(38.1,-4.8)
  Bottom Layer [SIG] w0.2: J1.G10@11.905,-13.335 12.57,-14 23.1,-14 26.7,-17.6 36.3,-17.6 v1(38.1,-15.8)
EN2: J1.H10 U10_ADC1.6 U10_ADC2.6 | length 57.7
  Top Layer [SIG] w0.2: v1(37.1,-15.8) 37.1,-16.7 37.35,-16.95 U10_ADC2.6@37.35,-18.35 ; v1(37.1,-4.8) 37.1,-5.7 37.35,-5.95 U10_ADC1.6@37.35,-7.35
  Mid Layer 2 [SIG] w0.2: v1(37.1,-15.8) 36.4,-16.5 31.25,-16.5 29.25,-14.5 29.25,-6 31.25,-4 36.3,-4 v1(37.1,-4.8)
  Bottom Layer [SIG] w0.2: J1.H10@13.175,-13.335 23.335,-13.335 27,-17 35.9,-17 v1(37.1,-15.8)